# Altium PCB PCB1.PcbDoc (part 2 of 2)
Units mil, origin at the board's own origin, x right, y up, seen from the top; angles counter-clockwise.
Board outline 5511.81 x 2362.21 mil, 2 copper layers (Top Layer, Bottom Layer); 113 components, 117 nets, 483 pads, 150 vias.
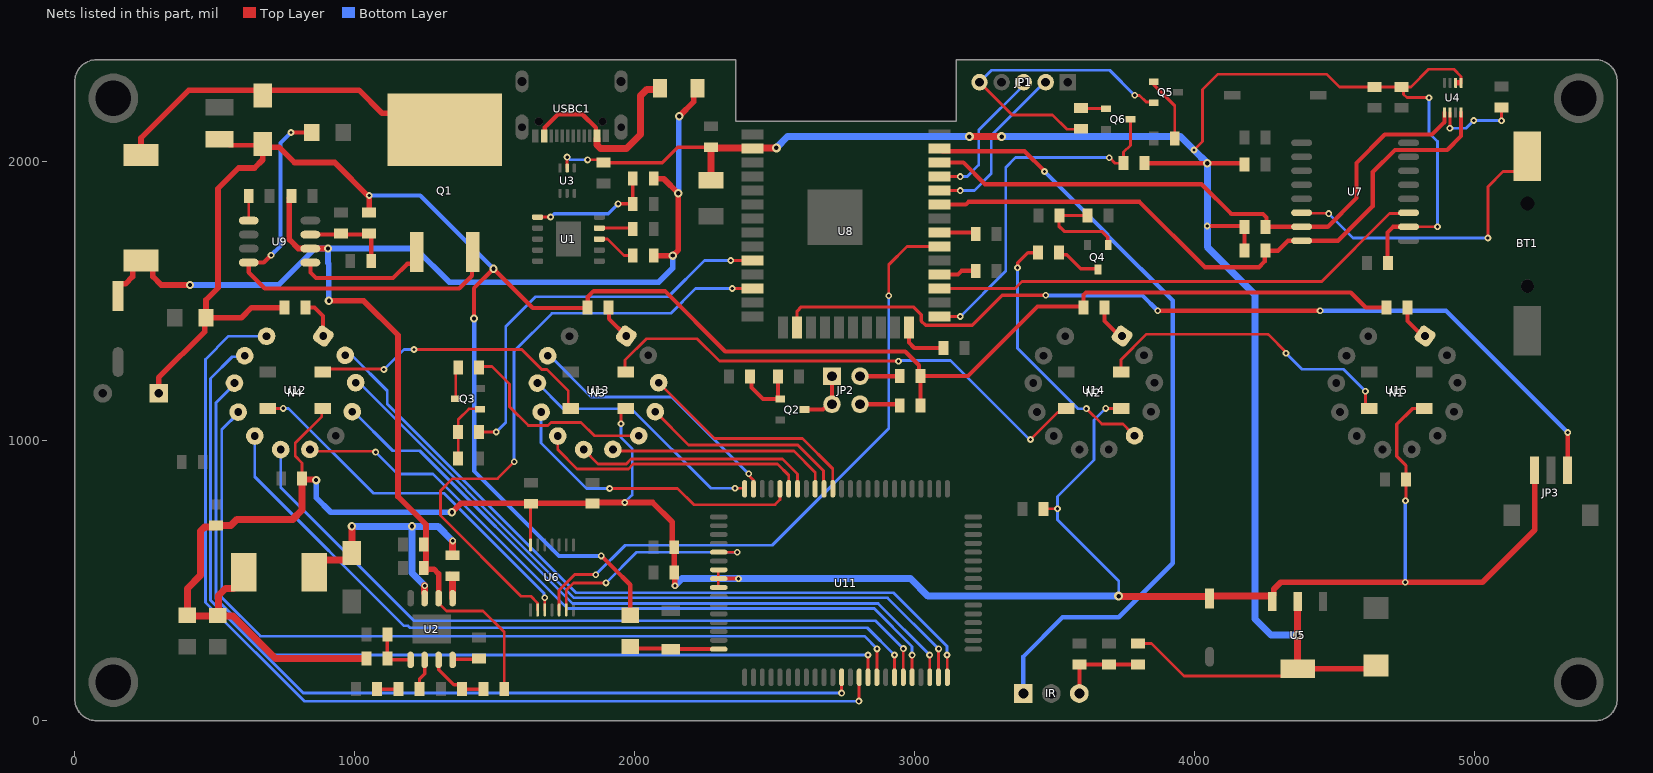
[diagram p2: the nets of this part, all layers, seen from the top]

## Via types
v1: diameter 24, hole 12, Top Layer to Bottom Layer, tented both sides, 68 vias
v2: diameter 25, hole 12, Top Layer to Bottom Layer, tented both sides, 40 vias
v3: diameter 30, hole 15, Top Layer to Bottom Layer, tented both sides, 37 vias
v4: diameter 32, hole 16, Top Layer to Bottom Layer, tented both sides, 5 vias

## Nets (pads, with @x,y where several pads share a name; then routed paths per layer and width w, separated by ;. In a path a pad name is that pad's centre, name@x,y a point inside that pad or via, vN(x,y) a via of type N, cw(c..) or ccw(c..) an arc to the next point about the centre after c; other vN are vias at no path point) (continued)
IN3-2: N3.3 U11.23 | length 935.7
  Top Layer w10: v1(2408.25,882.21) 2410.93,879.53 2410.93,873.64 2425.2,859.37 U11.23@2425.2,846.53
  Bottom Layer w10: N3.3@1690.13,1304.36 1697.85,1304.36 1845,1157.21 2133.25,1157.21 v1(2408.25,882.21)
IN3-3: N3.4 U11.24 | length 895.9
  Top Layer w10: v1(2359.05,830.71) U11.24@2393.7,830.71
  Bottom Layer w10: N3.4@1653.47,1206.63 1745.5,1114.59 1989.42,1114.59 2273.31,830.71 v1(2359.05,830.71)
IN3-4: N3.5 U11.20 | length 1103
  Top Layer w10: v2(1911.19,830) 2154.02,830 2211.81,772.21 2501.81,772.21 2519.68,790.08 U11.20@2519.68,830.71
  Bottom Layer w10: N3.5@1666.46,1102.94 1666.46,992.47 1828.92,830 v2(1911.19,830)
IN3-5: N3.6 U11.19 | length 972.2
  Top Layer w10: N3.6@1726.1,1017.27 1726.1,968.9 1795.17,899.83 1978.15,899.83 1995.32,917 2511.46,917 2551.18,877.28 U11.19@2551.18,830.71
IN3-6: N3.7 U11.18 | length 865.1
  Top Layer w10: N3.7@1818.72,969.13 1870.01,917.83 1970.7,917.83 1987.86,935 2528.82,935 2582.68,881.14 U11.18@2582.68,830.71
IN3-7: N3.8 U11.16 | length 813.6
  Top Layer w10: N3.8@1923.1,969.54 1929.06,963.58 2570.08,963.58 2645.67,887.99 U11.16@2645.67,830.71
IN3-8: N3.10 U11.15 | length 752.1
  Top Layer w10: N3.10@2074.31,1104.54 2193.39,985.46 2583.56,985.46 2675.69,893.33 2675.69,832.19 U11.15@2677.17,830.71
IN3-9: N3.11 U11.14 | length 819.3
  Top Layer w10: N3.11@2086.5,1208.21 2285.62,1009.09 2599.92,1009.09 2708.66,900.35 U11.14@2708.66,830.71
IN3-comma: R33.2 U8.10 | length 1431.3
  Top Layer w10: R33.2@1444.6,1031.65 v1(1506.38,1031.66) ; v1(2344.09,1644.49) U8.10@2421.26,1644.49
  Bottom Layer w10: v1(1506.38,1031.66) 1540,1065.27 1540,1408.15 1646.85,1515 2120.57,1515 2250.06,1644.49 v1(2344.09,1644.49)
IN4-0: N4.12 U11.64 | length 2738.1
  Top Layer w10: v2(3116.81,234.88) 3117.46,234.23 3117.46,154.19 U11.64@3118.11,153.54
  Bottom Layer w10: N4.12@966.44,1305.67 990.23,1305.67 1116.81,1179.1 1116.81,1132.09 1791.69,457.21 2925.7,457.21 3116.81,266.1 v2(3116.81,234.88) ; N4.12@971.28,1306.09 N4.12@987.75,1306.09
IN4-1: N4.2 U11.54 | length 3686.3
  Top Layer w10: v2(2801.81,70) 2802.48,70.67 2802.48,152.87 U11.54@2803.15,153.54
  Bottom Layer w10: N4.2@685.34,1374.27 549.77,1374.27 467,1291.51 467,423 820,70 v2(2801.81,70)
IN4-2: N4.3 U11.52 | length 3395.8
  Top Layer w10: v2(2740.16,98.82) U11.52@2740.16,153.54
  Bottom Layer w10: N4.3@607.46,1304.36 603.73,1300.64 562.88,1300.64 485,1222.75 485,430.46 816.64,98.82 v2(2740.16,98.82)
IN4-3: N4.4 U11.55 | length 3281
  Top Layer w10: U11.55@2834.65,153.54 v2@2834.65,225
  Bottom Layer w10: N4.4@573.01,1204.41 505,1136.4 505,435.91 706.03,234.88 v2(2834.65,234.88)
IN4-4: N4.5 U11.56 | length 3206.7
  Top Layer w10: U11.56@2866.14,153.54 2866.48,153.88 2866.48,256.87 v2(2866.81,257.21)
  Bottom Layer w10: N4.5@585.99,1100.72 525,1039.73 525,441.37 664.16,302.21 2821.81,302.21 v2(2866.81,257.21)
IN4-5: N4.6 U11.58 | length 2776.2
  Top Layer w10: U11.58@2929.13,153.54 v2(2929.13,234.88)
  Bottom Layer w10: N4.6@643.42,1017.27 643.42,872.04 1176.25,339.21 1191.45,339.21 1198.45,332.21 2831.81,332.21 v2(2929.13,234.88)
IN4-6: N4.7 U11.59 | length 2703.5
  Top Layer w10: U11.59@2960.63,153.54 v2(2960.63,257.85)
  Bottom Layer w10: N4.7@736.04,969.13 736.04,833.06 1211.89,357.21 2861.81,357.21 2960.63,258.39 v2(2960.63,257.85)
IN4-7: N4.8 U11.60 | length 2555.4
  Top Layer w10: N4.8@840.43,969.54 847.09,962.87 1072.13,962.87 v2(1075,960) ; U11.60@2992.13,153.54 v2(2992.13,234.57)
  Bottom Layer w10: v2(1075,960) 1152.79,882.21 1280.43,882.21 1761.43,401.21 2856.7,401.21 2992.13,265.78 v2(2992.13,234.57)
IN4-8: N4.10 U11.62 | length 2498.4
  Top Layer w10: U11.62@3055.12,153.54 v2@3055.12,232.87
  Bottom Layer w10: N4.10@996.48,1104.95 1136.44,964.99 1232.99,964.99 1778.78,419.21 2870.8,419.21 v2(3055.12,234.88)
IN4-9: N4.11 U11.63 | length 2574.2
  Top Layer w10: U11.63@3086.61,153.54 3086.71,153.64 3086.71,257.11 v2(3086.81,257.21)
  Bottom Layer w10: N4.11@1011.74,1211.7 1784.24,439.21 2904.81,439.21 v2(3086.81,257.21)
IO0: Q6.3 R20.2 U8.25 | length 1285.8
  Top Layer w10: U8.25@3090.55,1444.49 v1(3164.53,1444.49) ; v1(3696.81,2012.21) 3716.81,1992.21 R20.2@3747.84,1992.21 3747.84,2031.69 3772.24,2056.09 Q6.3@3772.24,2150
  Bottom Layer w10: v1(3164.53,1444.49) 3326.51,1606.47 3326.51,1977.26 3361.46,2012.21 v1(3696.81,2012.21)
IR: IR.1 U8.37 | length 2812.7
  Top Layer w15: U8.37@3090.55,2044.49 3100.04,2035 3393.98,2035 3465,1963.98 v1(3465,1962.65)
  Bottom Layer w10: IR.1@3374.54,90 IR.1@3381.66,82.88
  Bottom Layer w15: IR.1@3389.54,97.5 3389.54,229.78 3529.76,370 3730.35,370 3923.25,562.91 3923.25,1501.75 3690.47,1734.53 3690.47,1737.18 v1(3465,1962.65)
LE_ESP: U6.5 U8.30 | length 2281.7
  Top Layer w10: U6.5@1730.83,396.06 1730.83,466.48 1786.55,522.21 v1(1861.81,522.21) ; v1(2908.88,1518.98) 2908.88,1629.28 2974.09,1694.49 U8.30@3090.55,1694.49
  Bottom Layer w10: v1(1861.81,522.21) 1966.97,627.36 2492.36,627.36 2908.88,1043.88 v1(2908.88,1518.98)
LE_HV: U6.6 U11.29 | length 805.1
  Top Layer w10: U6.6@1756.42,396.06 1756.42,466.61 1782.32,492.52 v1(1898.39,492.52) ; U11.29@2299.21,602.36 v1(2366.97,602.36)
  Bottom Layer w10: v1(1898.39,492.52) 2008.23,602.36 v1(2366.97,602.36)
NetBT1_1: BT1.1 U7.14 | length 1037.9
  Top Layer w10: U7.14@4412.68,1813.82 4412.91,1813.59 4479.1,1813.59 v1(4480.48,1812.21) ; v2(5049.56,1725) 5049.56,1908.27 5103.87,1962.58 5149.41,1962.58 BT1.1@5190.84,2004
  Bottom Layer w10: v1(4480.48,1812.21) 4567.69,1725 v2(5049.56,1725)
NetC1_1: C1.1 D1.2 L1.1 U2.3 | length 1027.4
  Top Layer w10: L1.1@855.98,530 855.98,538.74 855.98,548.92 L1.1@897.24,590.18 ; D1.2@970.79,570.08 990.24,589.53 990.24,598.46 D1.2@990.24,599.37
  Top Layer w20: L1.1@855.98,538.74 L1.1@873.22,555.97 ; D1.2@966.77,575 D1.2@990.24,598.46
  Top Layer w25: L1.1@892.24,575 D1.2@966.77,575 ; D1.2@990.24,606.55 v3(990.24,695) ; U2.3@1250.24,455.71 v1(1250.24,482.76) ; C1.1@1350.23,591.5 v1(1350.24,642.69)
  Bottom Layer w10: v1(1350.24,642.69) v1@1351.23,641.7
  Bottom Layer w25: v3(990.24,695) v3(1205,695) ; v1(1250.24,482.76) 1205,527.99 v3(1205,695) ; v1(1350.24,642.69) 1297.93,695 v3(1205,695)
NetC1_2: C1.2 U2.1 | length 93.9
  Top Layer w10: C1.2@1340.24,527.76 C1.2@1350.24,517.76
  Top Layer w25: U2.1@1350.24,437.99 C1.2@1350.24,517.76
NetC2_1: C2.1 R2.1 U1.1 | length 449.9
  Top Layer w10: U1.1@1653.9,1799.95 v2(1700.45,1799.95)
  Top Layer w12: v2(1941.81,1847.21) C2.1@1994.26,1847.21 R2.1@1994.26,1937.21
  Bottom Layer w10: v2(1700.45,1799.95) v2@1702.55,1799.95
  Bottom Layer w12: v2@1702.55,1799.95 1713.81,1811.21 1905.81,1811.21 v2(1941.81,1847.21)
NetC8_2: C8.2 U2.8 | length 97.2
  Top Layer w12: U2.8@1350.24,217.52 1352.85,220.14 1442.62,220.14 C8.2@1445.24,222.76
NetC14_1: C14.1 R9.2 | length 76.9
  Top Layer w12: R9.2@1080.04,112.76 C14.1@1156.9,112.75
NetC14_2: C14.2 U2.6 | length 112.4
  Top Layer w12: C14.2@1231.71,112.75 1231.75,112.8 1231.75,148.72 1250.24,167.21 U2.6@1250.24,217.52
NetC22_1: C22.1 C23.1 IR.3 R19.1 | length 312.8
  Top Layer w15: IR.3@3590,97.96 C23.1@3590,200.75 C22.1@3695,200.75 R19.1@3800,200.75
NetC26_2: C26.2 R14.2 R17.2 U9.3 | length 313.6
  Top Layer w10: R14.2@1047.7,1737.21 R14.2@1051.81,1741.31
  Top Layer w15: U9.3@842.05,1737.21 951.8,1737.21 R14.2@1047.7,1737.21 ; R14.2@1051.81,1741.31 1059.21,1733.91 C26.2@1059.21,1642.2
NetC27_1: C27.1 U9.5 | length 107.3
  Top Layer w10: U9.5@621.57,1787.21 C27.1@621.57,1894.46
NetD2_1: D2.1 L2.2 Q1.2 | length 1295.6
  Top Layer w20: L2.2@236.81,2022.4 236.81,2082.21 408.11,2253.5 656.06,2253.5 671.81,2237.76 687.56,2253.5 1015.51,2253.5 1098.8,2170.21 1243.8,2170.21 Q1.2@1321.81,2092.21
NetD3_2: D3.2 R24.1 U11.40 | length 282.3
  Top Layer w15: R24.1@2004.14,257.79 2128.32,257.79 D3.2@2130,256.1 ; D3.2@2143.48,255.91 U11.40@2299.21,255.91
NetJP2_1: JP2.1 JP2.3 Q2.3 | length 206.3
  Top Layer w15: Q2.3@2607.48,1112.21 2674.02,1112.21 2692.92,1131.1 JP2.3@2705.91,1131.1 JP2.1@2705.91,1231.1
NetJP2_2: JP2.2 R22.1 | length 142.4
  Top Layer w15: JP2.2@2805.91,1231.1 2946.73,1231.1 R22.1@2947.83,1232.2
NetJP2_4: JP2.4 R23.1 | length 143.5
  Top Layer w15: JP2.4@2805.91,1131.1 2943.93,1131.1 R23.1@2947.83,1127.2
NetN1_13: N1.13 R27.2 | length 133.6
  Top Layer w12: N1.13@4815.4,1374.6 N1.13@4825.05,1374.6
  Top Layer w15: R27.2@4761.81,1476.37 4761.81,1428.19 N1.13@4815.4,1374.6
NetN2_9: N2.9 R32.2 | length 947.3
  Top Layer w10: v2(3615,1115) 3670,1060 3745.4,1060 N2.9@3775.06,1030.35
  Top Layer w12: v1(3368.86,1619.04) 3370.02,1620.2 3370.02,1636.31 3406.06,1672.36 R32.2@3442.11,1672.36 ; N2.9@3775.06,1030.35 3775.06,1018.41 N2.9@3787,1018.41
  Bottom Layer w10: v1(3368.86,1619.04) 3368.86,1331.29 3585.15,1115 v2(3615,1115)
NetN2_13: N2.13 R28.2 | length 134.2
  Top Layer w15: R28.2@3679.13,1476.37 3679.13,1428.83 3733.35,1374.6 N2.13@3742.38,1374.6 ; R28.2@3686.69,1491.21 R28.2@3687.32,1490.57
NetN3_9: N3.9 R31.2 | length 727.1
  Top Layer w10: R31.2@1447.63,1265.63 1491.24,1265.63 1553.26,1203.61 1553.26,1122.1 1620.86,1054.51 1690.68,1054.51 1701.87,1065.7 1809.3,1065.7 1856.59,1018.41 N3.9@2015.34,1018.41
NetN3_13: N3.13 R29.2 | length 126.6
  Top Layer w15: R29.2@1907.48,1474.97 1909.07,1473.38 1909.07,1436.26 N3.13@1970.72,1374.6
NetN4_13: N4.13 R30.2 | length 148.4
  Top Layer w15: R30.2@824.8,1476.37 856.98,1476.37 886.73,1446.63 886.73,1381.18 N4.13@892.89,1375.01
NetQ1_1: Q1.1 U9.1 | length 478.9
  Top Layer w15: U9.1@842.05,1637.21 842.05,1601.97 861.81,1582.21 1137.5,1582.21 1188.41,1633.11 1209.63,1633.11 1221.81,1645.3 Q1.1@1221.81,1674.88
NetQ1_3: Q1.3 R18.1 U9.8 | length 1593.7
  Top Layer w15: v1(701.57,1663.23) 675.55,1637.21 U9.8@621.57,1637.21 621.57,1602.44 679.02,1545 1374.07,1545 1419.38,1590.3 1419.38,1672.45 Q1.3@1421.81,1674.88 ; v1(772.81,2101.8) R18.1@846.94,2101.8
  Bottom Layer w15: v1(701.57,1663.23) 735,1696.65 735,2063.99 v1(772.81,2101.8)
NetQ2_1: Q2.1 R25.1 R26.2 | length 250.3
  Top Layer w15: R26.2@2413.05,1229.7 2417.72,1225.04 2417.72,1190.99 2459.1,1149.61 Q2.1@2517.14,1149.61 ; R25.1@2512.83,1237.2 2512.83,1153.92 Q2.1@2517.14,1149.61 ; Q2.1@2520.87,1149.61 Q2.1@2517.14,1149.61
NetQ3_1: Q3.1 R33.1 R35.2 | length 230
  Top Layer w10: R35.2@1370.24,936.33 1370.24,1035.63 1370.24,1076 1408.84,1114.6 Q3.1@1444.61,1114.6
NetQ3_3: Q3.3 R31.1 | length 120.3
  Top Layer w10: Q3.3@1361.59,1150 1361.59,1254.39 R31.1@1372.83,1265.63
NetQ4_1: Q4.1 R34.1 R36.2 | length 366
  Top Layer w10: R34.1@3518.65,1804.91 R36.2@3618.85,1804.91
  Top Layer w12: R34.1@3517,1803.26 3517,1766.92 3535.45,1748.47 3670.17,1748.47 3691.01,1727.63 3691.01,1692.21 Q4.1@3693.65,1689.58
NetQ4_3: Q4.3 R32.1 | length 163.1
  Top Layer w12: R32.1@3516.91,1672.36 3524.45,1664.82 3545.38,1664.82 3595.25,1614.96 Q4.3@3656.24,1614.96
NetQ5_1: Q5.1 R40.1 | length 223.5
  Top Layer w10: Q5.1@3855.63,2272.4 3930.67,2197.36 R40.1@3930.67,2080
NetQ6_1: Q6.1 R41.1 | length 91.7
  Top Layer w10: R41.1@3594.99,2189.98 3597.57,2187.4 Q6.1@3685.63,2187.4
NetR1_1: R1.1 R5.2 U2.7 | length 225.9
  Top Layer w12: U2.7@1300.24,217.52 1301.11,216.65 1301.11,182.52 1355.06,128.56 1371.87,128.56 1383.37,117.06 R5.2@1383.37,112.75 R1.1@1460.24,112.76
NetR3_2: R3.2 U1.9 | length 121.1
  Top Layer w10: U1.9@1874.37,1760.58 1990.69,1760.58 R3.2@1994.06,1757.21
NetR4_2: R4.2 U1.8 | length 144.1
  Top Layer w10: U1.8@1874.37,1721.21 1903.23,1721.21 1962.23,1662.21 R4.2@1994.06,1662.21
NetR6_2: R6.2 R8.2 U2.5 | length 170.1
  Top Layer w12: R8.2@1117.32,307.75 R6.2@1117.32,222.75 1122.55,217.52 U2.5@1200.24,217.52
NetR7_2: R7.2 U4.2 | length 287.6
  Top Layer w10: v1(4913.76,2117.25) 4914.01,2117.5 4914.01,2173.57 U4.2@4914.26,2173.83 ; v1(5098.25,2143.98) R7.2@5098.25,2191.58
  Bottom Layer w10: v1(4913.76,2117.25) 4971.18,2117.25 v1(4998.98,2145.04) 4999.02,2145 5085.4,2145
NetR21_2: R21.2 U8.24 | length 185.3
  Top Layer w15: U8.24@2980.91,1405.12 2980.91,1351.22 2999.92,1332.21 R21.2@3104.41,1332.21
NetR38_2: R38.2 U8.31 | length 128.8
  Top Layer w15: U8.31@3090.55,1744.49 R38.2@3219.38,1744.49
NetR39_2: R39.2 U8.28 | length 135.7
  Top Layer w15: U8.28@3090.55,1594.49 3155.6,1594.49 3168.86,1607.75 R39.2@3220.78,1607.75
NetU12_2: U12.2 U13.4 | length 1039.8
  Top Layer w10: U12.2@883.86,1246.06 909.93,1256.65 1003.65,1256.65 1103.1,1256.65 v2(1104.67,1255.07) ; v2(1212.33,1326.49) 1597.3,1326.49 1668.73,1255.06 1686.9,1255.06 1763.78,1178.18 1763.78,1125.98 U13.4@1773.62,1116.14
  Bottom Layer w10: v2(1104.67,1255.07) 1176.09,1326.49 v2(1212.33,1326.49)
NetU13_2: U13.2 U14.4 | length 1842.5
  Top Layer w10: U13.2@1966.54,1253.56 1966.54,1288.81 2042.73,1365 2224.02,1365 2304.02,1285 v1(2943.49,1285) ; v1(3415,1005) 3511.46,1101.46 3530.59,1101.46 U14.4@3545.28,1116.14
  Bottom Layer w10: v1(2943.49,1285) 2945.69,1287.21 3129.25,1287.21 3411.45,1005 v1(3415,1005)
NetU14_2: U14.2 U15.4 | length 1107.2
  Top Layer w10: U14.2@3738.19,1246.06 3738.19,1290.08 3829.55,1381.44 4262.13,1381.44 ; 4265,1380 4328.14,1316.86 v1(4328.14,1313.4) ; v1(4611.88,1177.22) 4611.88,1130.83 4626.57,1116.14 U15.4@4627.95,1116.14
  Bottom Layer w10: v1(4328.14,1313.4) 4385.62,1255.93 4533.09,1255.93 v1@4611.8,1177.22
RADAR: JP3.3 U8.16 | length 3216.1
  Top Layer w12: U8.16@2580.91,1405.12 2580.91,1462.97 2596.61,1478.68 2996.56,1478.68 3024.9,1450.33 3024.9,1428.25 3040.38,1412.77 3206.65,1412.77 3313.87,1520 v1(3470.15,1520)
  Top Layer w15: v1(3870,1465) v1(4450,1465) ; JP3.3@5335,920 v1(5335,1030)
  Bottom Layer w15: v1(3470.15,1520) 3815,1520 v1(3870,1465) ; v1(4450,1465) 4900,1465 v1(5335,1030)
RGB: U6.3 U12.4 | length 1320.3
  Top Layer w10: U12.4@690.94,1116.14 v1(744.9,1116.14) ; U6.3@1679.65,396.06 v1(1679.65,439.21)
  Bottom Layer w10: v1(744.9,1116.14) 763.65,1116.14 1066.96,812.83 1319.74,812.83 1676.97,455.61 1676.97,441.88 v1(1679.65,439.21)
RGB_ESP: U6.2 U8.12 | length 2235.8
  Top Layer w10: v1(1570,925) 1570,924.61 1510.39,865 1349.82,865 1306.81,821.99 1306.81,733.19 1595,445 1630,445 1654.06,420.94 U6.2@1654.06,396.06 ; v1(2349.09,1544.49) U8.12@2421.26,1544.49
  Bottom Layer w10: v1(1570,925) 1570,1320.39 1705.45,1455.85 2129.53,1455.85 2218.17,1544.49 v1(2349.09,1544.49)
RTS: JP1.5 Q5.2 R41.2 | length 1123.8
  Top Layer w10: JP1.5@3233.07,2281.69 3349.76,2165 3493.88,2165 3545.07,2113.8 R41.2@3593.79,2113.8 ; v1(3787.34,2235) 3787.96,2234.39 3804.91,2234.39 3828.77,2210.53 3859.66,2210.53 Q5.2@3861.26,2208.93
  Bottom Layer w10: JP1.5@3233.07,2281.69 3275.6,2324.22 3698.12,2324.22 v1(3787.34,2235)
RX: JP1.2 U8.34 | length 619
  Top Layer w10: U8.34@3090.55,1894.49 v1(3164.53,1894.49)
  Bottom Layer w10: v1(3164.53,1894.49) 3214.49,1894.49 3275,1955 3275,2091.41 3465.28,2281.69 JP1.2@3469.29,2281.69
SCL: R10.1 U4.4 U7.16 U8.33 | length 2335.1
  Top Layer w15: U8.33@3090.55,1844.49 3184.09,1844.49 3193.8,1854.2 3804.82,1854.2 4038.34,1620.68 4231.89,1620.68 4251.99,1640.78 4251.99,1676.62 R10.1@4254.87,1679.5 4299.5,1679.5 4335,1715 U7.16@4384.06,1715 4514.23,1715 4637.99,1838.76 4637.99,1960.68 4717.12,2039.81 4801.81,2039.81 4904.38,2039.78 4953.63,2089.03 U4.4@4953.63,2173.83
SDA: R11.1 U4.1 U7.15 U8.36 | length 2188.6
  Top Layer w10: R11.1@4253.74,1764.97 R11.1@4255.84,1764.97 ; R11.1@4254.87,1764 R11.1@4255.84,1764.97 ; R11.1@4258.05,1767.18 R11.1@4255.84,1764.97
  Top Layer w15: U8.36@3090.55,1994.49 3175.12,1994.49 3252.4,1917.21 4026.13,1917.21 4132.84,1810.49 4245.69,1810.49 4258.05,1798.14 R11.1@4258.05,1767.18 ; R11.1@4255.84,1764.97 U7.15@4384.06,1765 4477.17,1765 4580,1867.83 4580,1993.49 4681.01,2094.5 4850.23,2094.5 4894.58,2138.84 U4.1@4894.58,2173.83
SQW: U7.3 U8.27 | length 1816.5
  Top Layer w10: U8.27@3090.55,1544.49 3359.49,1544.49 3385,1570 4456.01,1570 4698.21,1812.21 U7.3@4796.18,1812.21
TX: JP1.3 U8.35 | length 519.2
  Top Layer w10: U8.35@3090.55,1944.49 v1(3164.53,1944.49)
  Bottom Layer w10: v1(3164.53,1944.49) 3189.07,1944.49 3230,1985.42 3230,2110 3390.55,2270.55 JP1.3@3390.55,2281.69
V3.3: C3.2 C4.2 C7.2 C10.1 C15.1 C16.1 C17.1 R10.2 R11.2 R13.2 R19.2 R20.1 U3.5 U4.5 U4.6 U5.2 U7.2 U8.2 | length 8203.3
  Top Layer w10: U3.5@1759.45,1975.08 v2(1759.45,2013.78) ; v2(1832.94,2004.6) C7.2@1890.24,2004.6 ; R19.2@3800,275.55 3847.79,275.55 3963.34,160 4344.25,160 U5.2@4370,185.75 ; v1(3999.31,2039.71) 4030.09,2070.49 4030.09,2255.09 4085.43,2310.43 4473.41,2310.43 4518.85,2265 C4.2@4645,2265 C3.2@4740,2265 ; R11.2@4180.06,1764 R11.2@4180.06,1767.7 ; C3.2@4749.73,2262.77 C3.2@4749.73,2265 ; U7.2@4796.18,1762.21 4796.18,1763.35 4797.83,1765 v1(4869.58,1765) ; v1(4839.16,2226.58) 4760.09,2226.58 4748.32,2238.36 4748.32,2256.68 C3.2@4740,2265 ; U4.6@4933.71,2279.57 U4.6@4933.95,2279.34 ; U4.5@4953.63,2279.34 4953.57,2279.4 4953.57,2302.38 4927.69,2328.25 4837.99,2328.25 4774.74,2265 C3.2@4749.73,2265 ; C3.2@4740,2265 C3.2@4749.73,2265
  Top Layer w12: C7.2@1890.24,1994.3 2098.9,1994.3 2154.09,2049.49 C15.1@2273.02,2049.49
  Top Layer w15: R20.1@3822.64,1992.21 R13.2@4180.06,1992.21 ; v1(4046.81,1767.7) R11.2@4180.06,1767.7 ; R10.2@4180.06,1683.21 R11.2@4180.06,1764 ; C17.1@4690.6,1645 4690.6,1744.8 4710.8,1765 U7.2@4765.94,1765
  Top Layer w20: U8.2@2421.26,2044.49 U8.2@2423.76,2046.99 ; U5.2@4370,185.75 C10.1@4617.21,185.75 ; U4.6@4938.87,2279.34 U4.5@4949,2279.34
  Top Layer w25: C16.1@2272.96,1931.51 C16.1@2272.96,1932.1 ; C16.1@2273.02,1936.6 C15.1@2273.02,2049.49 ; C15.1@2275.8,2047.36 2418.38,2047.36 U8.2@2421.26,2044.49 ; U8.2@2423.76,2046.99 v4(2506.81,2046.99) ; v4(3196.81,2087.21) v4(3311.81,2087.21) ; U5.2@4370,185.75 v4(4370,306.67) U5.2@4370,416.95
  Bottom Layer w10: v2@1760.81,2013.78 1769.98,2004.6 v2(1832.94,2004.6) ; v1(4839.16,2226.58) 4839.16,2100.84 4869.58,2070.42 v1(4869.58,1765)
  Bottom Layer w20: v2(1759.45,2013.78) v2@1760.81,2013.78
  Bottom Layer w25: v4(2506.81,2046.99) 2547.03,2087.21 v4@3195.87,2087.21 ; v4(3311.81,2087.21) 3951.81,2087.21 v1(3999.31,2039.71) v3(4046.81,1992.21) v1(4046.81,1767.7) 4046.81,1692.21 4216.81,1522.2 4216.81,363.73 4273.88,306.67 v4(4370,306.67)
V5: C9.1 C12.2 C13.2 C18.1 C29.2 C30.2 C31.2 C32.2 C33.1 C34.2 JP3.1 L1.2 R6.1 R42.2 U5.3 U6.14 U11.31 U11.32 U11.33 U12.1 U13.1 U14.1 U15.1 | length 9476.3
  Top Layer w10: C32.2@812.4,883 812.4,921 787.93,945.46 787.93,992.33 882.92,1087.31 882.92,1115.2 U12.1@883.86,1116.14 ; v3(862.55,860) v3@862.55,865.41 ; U6.14@1628.46,628.35 C18.1@1628.46,762.21 ; v1(1951.81,1061.1) U13.1@1951.81,1106.46 ; U11.33@2299.21,476.38 2299.21,507.87 U11.31@2299.21,539.37 ; C30.2@3461.61,757.21 v1(3511.81,757.21) ; v1(3683.79,1116.14) U14.1@3738.19,1116.14
  Top Layer w12: v1(4755,786.02) 4756.8,787.83 C31.2@4756.8,862.2 4756.8,912.21 4724.41,944.61 4724.41,1059.8 4780.37,1115.76 4820.49,1115.76 U15.1@4820.87,1116.14
  Top Layer w15: U11.32@2299.21,507.87 U11.32@2301.18,507.87 v1(2371.81,507.87)
  Top Layer w20: C13.2@511.52,376.02 C13.2@512.55,375 ; C32.2@812.4,861.94 860.62,861.94 v3(862.55,860) ; v3(1347.85,745.13) 1379.92,777.21 C29.2@1850.59,777.21 ; C29.2@1850.59,775.8 1854.79,780 v1(1965,780) 2065,780 2135,710 2135,627.4 C34.2@2142.4,620 C33.1@2142.4,537.22 ; U13.1@1951.81,1106.46 1961.5,1116.14 U13.1@1966.54,1116.14 ; C33.1@2142.56,530.16 2144.23,528.48 2144.23,483.47 v1(2145,482.71) ; U5.3@4279.45,425.75 4276.86,428.34 4276.86,445 4277.18,445 4279.99,445 4284.21,449.22 4284.21,469.94 4309.27,495 v1@4753.07,495 ; v1(4754.15,495) 5030,495 5216.89,681.89 JP3.1@5216.89,920
  Top Layer w25: C12.2@402.16,377.09 402.5,377.09 402.5,472.5 449.9,519.9 449.9,677.96 464.55,692.6 500,692.6 R42.2@505,697.6 557.5,697.6 579.9,720 779.05,720 812.4,753.35 812.4,861.94 C32.2@812.4,865 ; C12.2@409.66,374.9 C13.2@511.52,374.9 ; C13.2@512.55,375 565,375 717.25,222.75 R6.1@1042.52,222.75 ; C13.2@513,376.02 513,448 538.22,473.22 567.76,473.22 604.02,509.48 L1.2@604.02,530 ; v4(3730.35,445) 3731.69,443.66 4051.87,443.66 C9.1@4055.12,446.91 ; C9.1@4055.12,429.33 C9.1@4055.12,445 ; C9.1@4055.12,449.02 C9.1@4055.12,446.91 ; U5.3@4276.86,445 C9.1@4055.12,445 ; U5.3@4277.18,445 U5.3@4280,442.18 ; C9.1@4055.12,445 C9.1@4055.12,446.91
  Bottom Layer w10: v1(1951.81,1061.1) 1951.81,1012.21 1991.81,972.21 1991.81,806.81 v1(1965,780) ; v1(3683.79,1116.14) 3642.34,1074.7 3642.34,932.34 3511.81,801.81 v1(3511.81,757.21) 3511.81,718.19 3730.35,499.65 v4(3730.35,445)
  Bottom Layer w12: v1(4754.15,495) 4754.58,495.42 4754.58,785.6 v1(4755,786.02)
  Bottom Layer w20: v3(862.55,860) 862.55,797.51 914.93,745.13 v3(1347.85,745.13) ; v1@2370.73,507.87 v1(2371.81,507.87)
  Bottom Layer w25: v1(2145,482.71) 2170.17,507.87 v1@2370.73,507.87 ; v1(2371.81,507.87) 2986.42,507.87 3049.29,445 v4(3730.35,445)
V12: C5.2 C6.2 C21.1 C24.2 L2.1 R1.2 R2.2 R4.1 RF1.2 U2.2 U9.2 | length 5412.7
  Top Layer w10: U2.2@1300.24,437.99 1300.24,420.28 1328.18,392.33 1459,392.33 1535.04,316.29 R1.2@1535.04,112.76
  Top Layer w20: C21.1@155,1518.11 155,1551.57 164.69,1561.26 181.26,1561.26 206.79,1586.8 206.79,1615.08 224.35,1632.64 261.81,1632.64 279.37,1615.08 279.37,1586.8 308.96,1557.21 v3(411.81,1557.21) ; C24.2@767.13,1855.31 767.13,1719.2 798.81,1687.53 841.72,1687.53 U9.2@842.05,1687.21 ; C24.2@767.44,1867.5 C24.2@774.94,1875 ; U9.2@842.05,1687.21 842.24,1687.37 v3(905.09,1687.37) ; v3(908.33,1500.63) 1032.48,1500.63 1155,1378.11 1155,800.95 1255.24,700.72 C6.2@1255.24,541.85 ; C6.2@1247.4,545 1250.54,541.85 C6.2@1255.24,541.85 ; C6.2@1255.24,532.76 C6.2@1255.24,541.85 ; U2.2@1300.24,437.99 1300.24,524.8 1283.18,541.85 C6.2@1255.24,541.85 ; R4.1@2068.86,1662.21 v3(2136.81,1662.21) 2156.81,1682.21 v3(2156.81,1884.63) 2104.84,1936.6 2069.66,1936.6 R2.2@2069.06,1937.21 ; v3(2160,2160) 2212.28,2212.28 2212.28,2246.26 RF1.2@2226.14,2260.12
  Bottom Layer w20: v3(411.81,1557.21) 727.98,1557.21 858.14,1687.37 v3(905.09,1687.37) ; v3(908.33,1500.63) 908.33,1632.37 905.09,1635.61 v3(905.09,1687.37) ; v3(2136.81,1662.21) 2136.81,1617.2 2086.81,1567.21 1338.25,1567.21 1217.93,1687.53 905.25,1687.53 v3(905.09,1687.37) ; v3(2156.81,1884.63) 2158.41,1886.23 2158.41,2158.41 v3(2160,2160)
VBUS: RF1.1 USBC1.A4 USBC1.A9 USBC1.B4 USBC1.B9 | length 670.9
  Top Layer w15: USBC1.A9@1673.12,2103.48 1679.23,2109.59 1679.23,2119.36 1688.28,2128.41 1688.28,2128.67 1726.81,2167.21 1813.67,2167.21 1862.09,2118.79 USBC1.B9@1862.09,2107.2
  Top Layer w25: USBC1.B9@1866.27,2079.76 1866.27,2057.89 1879.16,2045 1972.05,2045 2021.59,2094.54 2021.59,2233.41 2044.6,2256.42 2083.53,2256.42 RF1.1@2086.81,2259.71
VH: C20.1 C35.2 D2.2 R14.1 R15.2 R22.2 R23.2 R24.2 R27.1 R28.1 R29.1 R30.1 | length 7835.3
  Top Layer w15: C35.2@551.81,2057.35 552.5,2056.65 D2.2@661.81,2056.65 ; v3@1426.81,1439.62 1426.81,1545.74 v3(1496.31,1615.23) 1636.57,1474.97 1819.38,1474.97 R29.1@1821.72,1477.32 ; R29.1@1832.67,1474.97 1826.02,1481.62 1832.93,1488.52 1832.93,1513.69 1854.24,1535 2109.02,1535 2324.52,1319.5 2967.63,1319.5 3016.62,1270.51 R22.2@3016.62,1238.22 ; v1(1881.81,589.11) 1925.16,545.76 1985,485.92 R24.2@1985,377.66 ; R23.2@3022.63,1127.2 R22.2@3022.63,1232.2 3192.2,1232.2 3440,1480 R28.1@3604.33,1480 ; R28.1@3604.33,1476.37 R28.1@3604.33,1480 ; R28.1@3606.31,1480 R28.1@3604.33,1480 ; R27.1@4687,1476.37 4612.93,1476.37 4559.3,1530 3613.11,1530 3604.33,1521.21 R28.1@3604.33,1480
  Top Layer w20: C20.1@300,1170 300,1225.93 464.79,1390.72 464.79,1435.89 R15.2@468.9,1440 ; R30.1@750,1476.37 631.64,1476.37 595.26,1440 R15.2@468.9,1440 ; v1@1051.81,1872.16 929.13,1994.84 785.16,1994.84 730,2050 678.46,2050 671.81,2043.35 671.81,2004.6 642.21,1975 585.76,1975 511.98,1901.21 511.98,1546.98 468.9,1503.9 R15.2@468.9,1440 ; R14.1@1052,1811.93 v1(1052,1877.08)
  Bottom Layer w15: v1(1052,1877.08) 1234.46,1877.08 v3(1496.31,1615.23) ; v3@1427.33,1440.12 1427.33,892.68 1730.9,589.11 v1(1881.81,589.11)
  other v3: 1426.81,1437.21
pads on no net: BT1.0 JP3.0 N1.9 N4.9 U1.2 U1.3 U1.10 U4.3 U7.1 U7.4 U8.4 U8.5 U8.6 U8.7 U8.8 U8.14 U8.17 U8.18 U8.19 U8.20 U8.21 U8.22 U8.23 U8.26 U8.29 U8.32 U11.1 U11.5 U11.9 U11.13 U11.17 U11.21 U11.28 U11.36 U11.37 U11.41 U11.42 U11.43 U11.44 U11.45 U11.46 U11.47 U11.48 U11.49 U11.50 U11.51 U11.53 U11.57 U11.61 U11.65 U11.69 U11.73 U11.77 U15.2 USBC1. USBC1.A8 USBC1.B8

## Polygon pours and split planes (outlines as drawn)
GND on Top Layer "Top Layer-GND" (solid, remove dead copper, pour order 4): 15,619.57 45,589.57 310,589.57 334.57,565 335,565 335,35 355,15 1597.31,15 1597.31,442.69 1374.5,665.5 402.8,665.5 402.8,1407.8 525.97,1530.97 525.97,1570.38 531.15,1575.56 570.56,1575.56 1062.42,1575.56 1062.42,2235 399.61,2235 231.98,2067.37 15,2067.37
DGND on Top Layer "DGND_L01_P002" (solid, remove dead copper, pour order 2): 2017.79,2345 2045,2317.79 2045,2142.2 2356.12,2142.2 2356.12,2105 2456.12,2105 2456.12,1997.21 3041.12,1997.21 3041.12,2137.2 3410,2137.2 3410,2345 5436.86,2345 5495,2287.25 5495,74.95 5435.05,15 1640,15 1620,35 1620,443.81 1321.81,735 449.9,735 431.12,753.78 431.12,1356.97 1506.97,1356.97 1545,1395 1545,2345
DGND on Bottom Layer "DGND_L02_P003" (solid, remove dead copper, pour order 3): 2045,2032.21 2065,2012.21 3410,2012.21 3410,2345 5436.86,2345 5494.61,2287.25 5495,2287.25 5495,74.95 5435.05,15 75,15 15,75 15,2280 80,2345 2017.79,2345 2045,2317.79

## Other copper
Top Layer:
  pour cut-out: 1070.6,175 1057.35,161.74 608.26,161.74 600,170 600,356.55 968.07,356.55 970.24,354.38 970.24,275.23 977.74,268 1070.6,268
  pour cut-out: 408.63,680 525,680 525,554.68 512.02,541.7 408.84,541.7
  pour cut-out: 348.46,1121.54 415,1121.54 420,1126.54 420,1230 351.29,1230 348.46,1227.17
  pour cut-out: 1110,515.77 1095.11,500.88 970.24,500.88 970.5,671.97 1110,671.97
  pour cut-out: 1091.82,173.91 1103.99,161.74 1352.85,161.74 1352.85,274.75 1091.82,274.75
  pour cut-out: 1581.81,-2.79 1316.81,-2.79 1316.81,254.91 1581.81,254.91
  pour cut-out: 2269.68,332.21 2269.68,652.36 2269.53,652.21 2246.81,652.21 2246.81,342.21 2251.81,337.21
  pour cut-out: 930.66,675 930.66,356.55 525,356.55 525,675
  pour cut-out: 433.66,1552.63 15,1552.63 15,2253.5 433.66,2253.5

## Silkscreen, mask and mechanical layers (free items; w line width, h text height)
Top Overlay:
  drawing of 46 lines, arcs and shapes, not listed
  text "V2" at 3178.81,2186 h40
  text "RX" at 3361,2186 h40
  text "TX" at 3445.26,2186 h40
  text "+" at 2825.81,1072.87 h40 r180
  text "Light's Time Machine" at 3757.82,595.53 h55
  text "V2" at 5341,281 h40
Mechanical 1:
  the board outline again, w10

## Text inside footprints (layer, text, board x,y; h text height)
Q3: Mechanical 1 "U1" at 1394.66,1166.31 h23.62 r270
Q4: Mechanical 1 "U1" at 3639.94,1645.74 h23.62
Q5: Mechanical 1 "U1" at 3909.17,2230.02 h23.62 r90
Q6: Mechanical 1 "U1" at 3739.17,2133.69 h23.62 r90